# KiCad board d4_small_pcb_panel.kicad_pcb
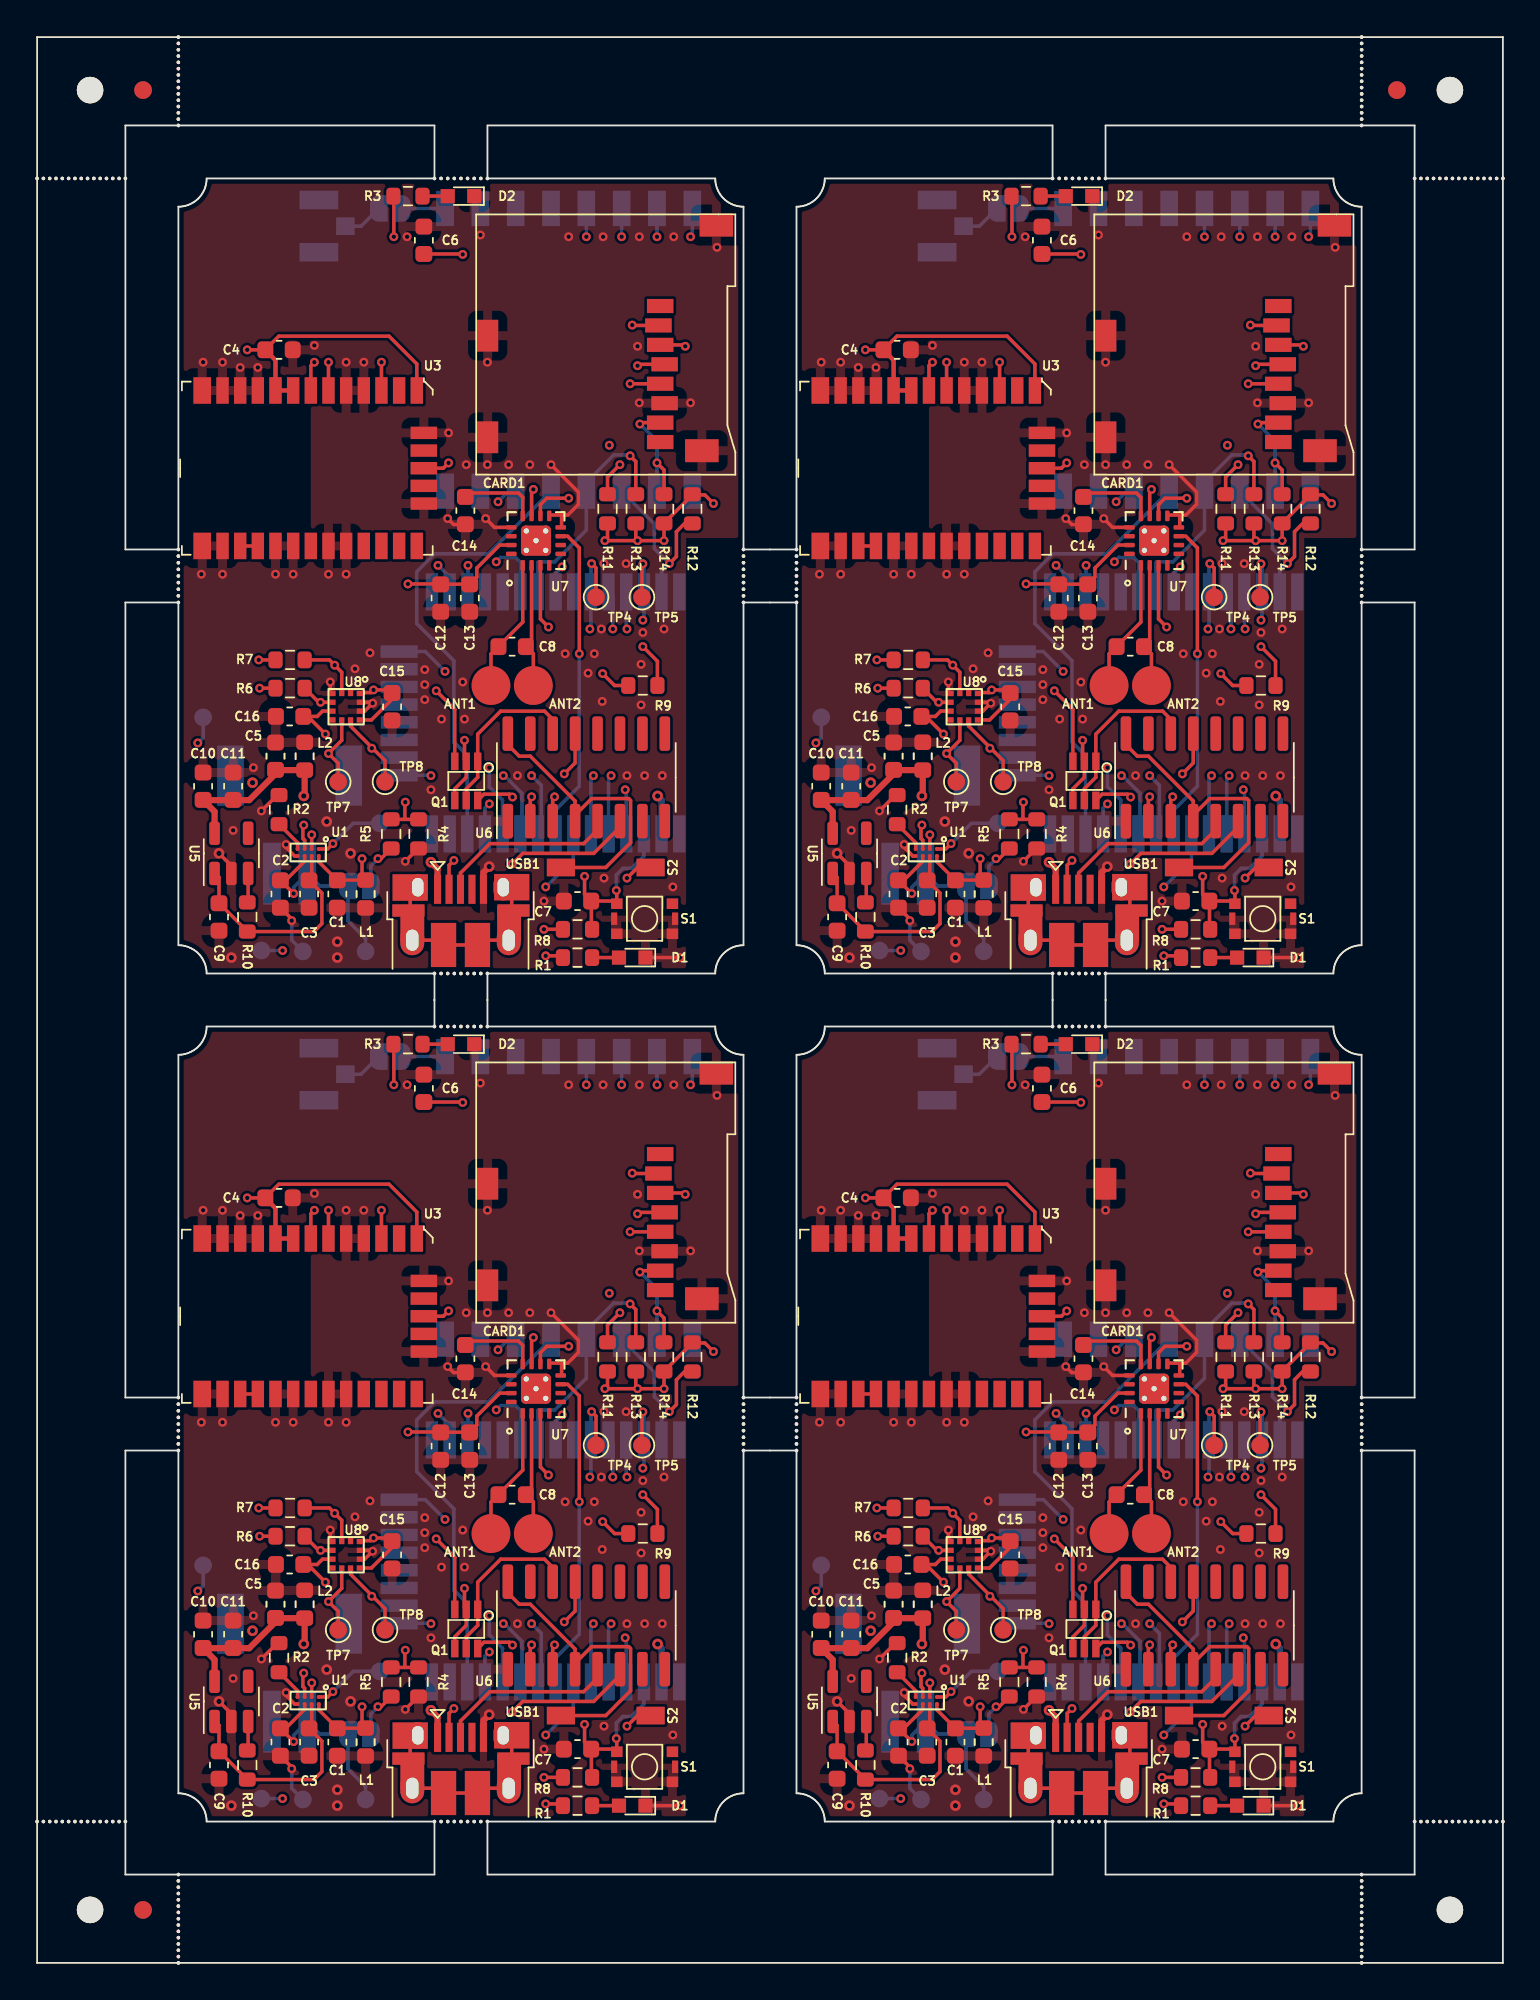
[diagram p0: board, top side]
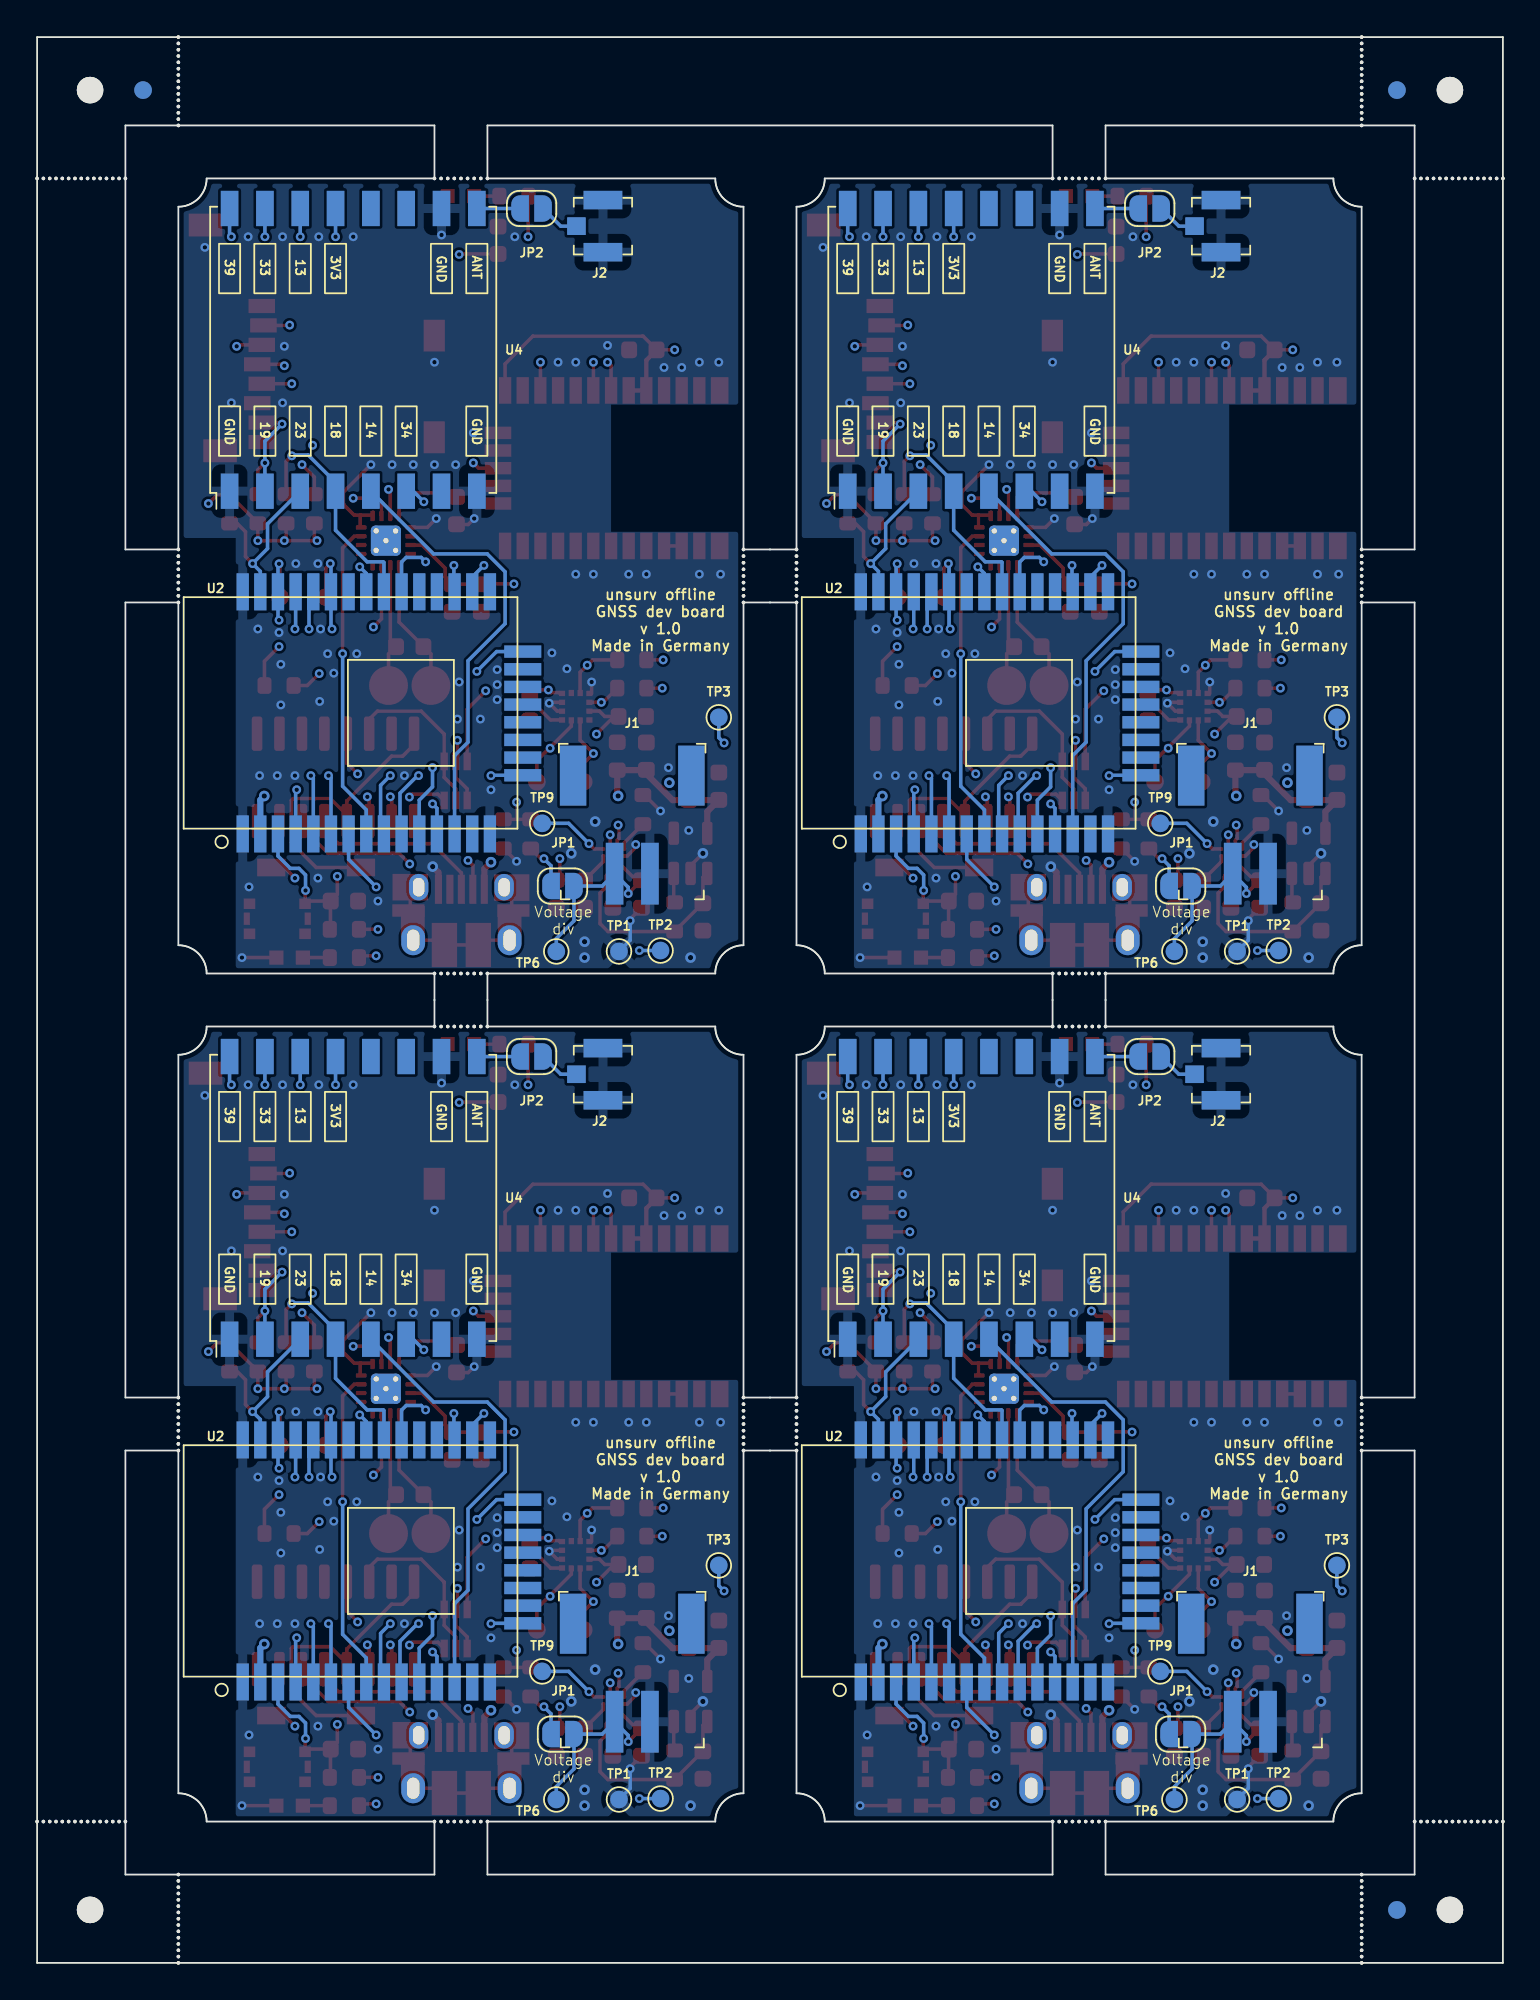
[diagram p1: board, bottom side, seen from below]

Outline 83 x 109 mm; copper layers: Top, SIG_PWR1, SIG_PWR2, Bottom. Coordinates in mm from the lower left corner of the outline.
Outline path: 0,109 0,0 83,0 83,109 0,109 ; 5,104 22.5,104 22.5,101 9.6,101 9.6,100.92 9.59,100.84 9.58,100.76 9.57,100.68 9.55,100.6 9.53,100.52 9.5,100.44 9.47,100.37 9.44,100.3 9.4,100.22 9.36,100.15 9.31,100.09 9.27,100.02 9.21,99.96 9.16,99.9 9.1,99.84 9.04,99.79 8.98,99.73 8.91,99.69 8.85,99.64 8.78,99.6 8.7,99.56 8.63,99.53 8.56,99.5 8.48,99.47 8.4,99.45 8.32,99.43 8.24,99.42 8.16,99.41 8.08,99.4 8,99.4 8,80 5,80 5,104 ; 5,77 8,77 8,57.6 8.08,57.6 8.16,57.59 8.24,57.58 8.32,57.57 8.4,57.55 8.48,57.53 8.56,57.5 8.63,57.47 8.7,57.44 8.78,57.4 8.85,57.36 8.91,57.31 8.98,57.27 9.04,57.21 9.1,57.16 9.16,57.1 9.21,57.04 9.27,56.98 9.31,56.91 9.36,56.85 9.4,56.78 9.44,56.7 9.47,56.63 9.5,56.56 9.53,56.48 9.55,56.4 9.57,56.32 9.58,56.24 9.59,56.16 9.6,56.08 9.6,56 22.5,56 22.5,53 9.6,53 9.6,52.92 9.59,52.84 9.58,52.76 9.57,52.68 9.55,52.6 9.53,52.52 9.5,52.44 9.47,52.37 9.44,52.3 9.4,52.22 9.36,52.15 9.31,52.09 9.27,52.02 9.21,51.96 9.16,51.9 9.1,51.84 9.04,51.79 8.98,51.73 8.91,51.69 8.85,51.64 8.78,51.6 8.7,51.56 8.63,51.53 8.56,51.5 8.48,51.47 8.4,51.45 8.32,51.43 8.24,51.42 8.16,51.41 8.08,51.4 8,51.4 8,32 5,32 5,77 ; 5,29 8,29 8,9.6 8.08,9.6 8.16,9.59 8.24,9.58 8.32,9.57 8.4,9.55 8.48,9.53 8.56,9.5 8.63,9.47 8.7,9.44 8.78,9.4 8.85,9.36 8.91,9.31 8.98,9.27 9.04,9.21 9.1,9.16 9.16,9.1 9.21,9.04 9.27,8.98 9.31,8.91 9.36,8.85 9.4,8.78 9.44,8.7 9.47,8.63 9.5,8.56 9.53,8.48 9.55,8.4 9.57,8.32 9.58,8.24 9.59,8.16 9.6,8.08 9.6,8 22.5,8 22.5,5 5,5 5,29 ; 25.5,104 57.5,104 57.5,101 44.6,101 44.6,100.92 44.59,100.84 44.58,100.76 44.57,100.68 44.55,100.6 44.53,100.52 44.5,100.44 44.47,100.37 44.44,100.3 44.4,100.22 44.36,100.15 44.31,100.09 44.27,100.02 44.21,99.96 44.16,99.9 44.1,99.84 44.04,99.79 43.98,99.73 43.91,99.69 43.85,99.64 43.78,99.6 43.7,99.56 43.63,99.53 43.56,99.5 43.48,99.47 43.4,99.45 43.32,99.43 43.24,99.42 43.16,99.41 43.08,99.4 43,99.4 43,80 40,80 40,99.4 39.92,99.4 39.84,99.41 39.76,99.42 39.68,99.43 39.6,99.45 39.52,99.47 39.44,99.5 39.37,99.53 39.3,99.56 39.22,99.6 39.15,99.64 39.09,99.69 39.02,99.73 38.96,99.79 38.9,99.84 38.84,99.9 38.79,99.96 38.73,100.02 38.69,100.09 38.64,100.15 38.6,100.22 38.56,100.3 38.53,100.37 38.5,100.44 38.47,100.52 38.45,100.6 38.43,100.68 38.42,100.76 38.41,100.84 38.4,100.92 38.4,101 25.5,101 25.5,104 ; 25.5,56 38.4,56 38.4,56.08 38.41,56.16 38.42,56.24 38.43,56.32 38.45,56.4 38.47,56.48 38.5,56.56 38.53,56.63 38.56,56.7 38.6,56.78 38.64,56.85 38.69,56.91 38.73,56.98 38.79,57.04 38.84,57.1 38.9,57.16 38.96,57.21 39.02,57.27 39.09,57.31 39.15,57.36 39.22,57.4 39.3,57.44 39.37,57.47 39.44,57.5 39.52,57.53 39.6,57.55 39.68,57.57 39.76,57.58 39.84,57.59 39.92,57.6 40,57.6 40,77 43,77 43,57.6 43.08,57.6 43.16,57.59 43.24,57.58 43.32,57.57 43.4,57.55 43.48,57.53 43.56,57.5 43.63,57.47 43.7,57.44 43.78,57.4 43.85,57.36 43.91,57.31 43.98,57.27 44.04,57.21 44.1,57.16 44.16,57.1 44.21,57.04 44.27,56.98 44.31,56.91 44.36,56.85 44.4,56.78 44.44,56.7 44.47,56.63 44.5,56.56 44.53,56.48 44.55,56.4 44.57,56.32 44.58,56.24 44.59,56.16 44.6,56.08 44.6,56 57.5,56 57.5,53 44.6,53 44.6,52.92 44.59,52.84 44.58,52.76 44.57,52.68 44.55,52.6 44.53,52.52 44.5,52.44 44.47,52.37 44.44,52.3 44.4,52.22 44.36,52.15 44.31,52.09 44.27,52.02 44.21,51.96 44.16,51.9 44.1,51.84 44.04,51.79 43.98,51.73 43.91,51.69 43.85,51.64 43.78,51.6 43.7,51.56 43.63,51.53 43.56,51.5 43.48,51.47 43.4,51.45 43.32,51.43 43.24,51.42 43.16,51.41 43.08,51.4 43,51.4 43,32 40,32 40,51.4 39.92,51.4 39.84,51.41 39.76,51.42 39.68,51.43 39.6,51.45 39.52,51.47 39.44,51.5 39.37,51.53 39.3,51.56 39.22,51.6 39.15,51.64 39.09,51.69 39.02,51.73 38.96,51.79 38.9,51.84 38.84,51.9 38.79,51.96 38.73,52.02 38.69,52.09 38.64,52.15 38.6,52.22 38.56,52.3 38.53,52.37 38.5,52.44 38.47,52.52 38.45,52.6 38.43,52.68 38.42,52.76 38.41,52.84 38.4,52.92 38.4,53 25.5,53 25.5,56 ; 25.5,8 38.4,8 38.4,8.08 38.41,8.16 38.42,8.24 38.43,8.32 38.45,8.4 38.47,8.48 38.5,8.56 38.53,8.63 38.56,8.7 38.6,8.78 38.64,8.85 38.69,8.91 38.73,8.98 38.79,9.04 38.84,9.1 38.9,9.16 38.96,9.21 39.02,9.27 39.09,9.31 39.15,9.36 39.22,9.4 39.3,9.44 39.37,9.47 39.44,9.5 39.52,9.53 39.6,9.55 39.68,9.57 39.76,9.58 39.84,9.59 39.92,9.6 40,9.6 40,29 43,29 43,9.6 43.08,9.6 43.16,9.59 43.24,9.58 43.32,9.57 43.4,9.55 43.48,9.53 43.56,9.5 43.63,9.47 43.7,9.44 43.78,9.4 43.85,9.36 43.91,9.31 43.98,9.27 44.04,9.21 44.1,9.16 44.16,9.1 44.21,9.04 44.27,8.98 44.31,8.91 44.36,8.85 44.4,8.78 44.44,8.7 44.47,8.63 44.5,8.56 44.53,8.48 44.55,8.4 44.57,8.32 44.58,8.24 44.59,8.16 44.6,8.08 44.6,8 57.5,8 57.5,5 25.5,5 25.5,8 ; 60.5,104 78,104 78,80 75,80 75,99.4 74.92,99.4 74.84,99.41 74.76,99.42 74.68,99.43 74.6,99.45 74.52,99.47 74.44,99.5 74.37,99.53 74.3,99.56 74.22,99.6 74.15,99.64 74.09,99.69 74.02,99.73 73.96,99.79 73.9,99.84 73.84,99.9 73.79,99.96 73.73,100.02 73.69,100.09 73.64,100.15 73.6,100.22 73.56,100.3 73.53,100.37 73.5,100.44 73.47,100.52 73.45,100.6 73.43,100.68 73.42,100.76 73.41,100.84 73.4,100.92 73.4,101 60.5,101 60.5,104 ; 60.5,56 73.4,56 73.4,56.08 73.41,56.16 73.42,56.24 73.43,56.32 73.45,56.4 73.47,56.48 73.5,56.56 73.53,56.63 73.56,56.7 73.6,56.78 73.64,56.85 73.69,56.91 73.73,56.98 73.79,57.04 73.84,57.1 73.9,57.16 73.96,57.21 74.02,57.27 74.09,57.31 74.15,57.36 74.22,57.4 74.3,57.44 74.37,57.47 74.44,57.5 74.52,57.53 74.6,57.55 74.68,57.57 74.76,57.58 74.84,57.59 74.92,57.6 75,57.6 75,77 78,77 78,32 75,32 75,51.4 74.92,51.4 74.84,51.41 74.76,51.42 74.68,51.43 74.6,51.45 74.52,51.47 74.44,51.5 74.37,51.53 74.3,51.56 74.22,51.6 74.15,51.64 74.09,51.69 74.02,51.73 73.96,51.79 73.9,51.84 73.84,51.9 73.79,51.96 73.73,52.02 73.69,52.09 73.64,52.15 73.6,52.22 73.56,52.3 73.53,52.37 73.5,52.44 73.47,52.52 73.45,52.6 73.43,52.68 73.42,52.76 73.41,52.84 73.4,52.92 73.4,53 60.5,53 60.5,56 ; 60.5,8 73.4,8 73.4,8.08 73.41,8.16 73.42,8.24 73.43,8.32 73.45,8.4 73.47,8.48 73.5,8.56 73.53,8.63 73.56,8.7 73.6,8.78 73.64,8.85 73.69,8.91 73.73,8.98 73.79,9.04 73.84,9.1 73.9,9.16 73.96,9.21 74.02,9.27 74.09,9.31 74.15,9.36 74.22,9.4 74.3,9.44 74.37,9.47 74.44,9.5 74.52,9.53 74.6,9.55 74.68,9.57 74.76,9.58 74.84,9.59 74.92,9.6 75,9.6 75,29 78,29 78,5 60.5,5 60.5,8
Stack: Top 0.035mm / dielectric 0.48mm FR4 er 4.5 / SIG_PWR1 0.035mm / dielectric 0.48mm FR4 er 4.5 / SIG_PWR2 0.035mm / dielectric 0.48mm FR4 er 4.5 / Bottom 0.035mm

## Placement (name value [footprint] x y rotation side)
ANT1  ANT1  [PogoPin_2_2mm_circular]  59 75.5 0 top
ANT1#2  ANT1  [PogoPin_2_2mm_circular]  24 27.5 0 top
ANT1#3  ANT1  [PogoPin_2_2mm_circular]  24 75.5 0 top
ANT1#4  ANT1  [PogoPin_2_2mm_circular]  59 27.5 0 top
ANT2  ANT2  [PogoPin_2_2mm_circular#2]  62 27.5 0 top
ANT2#2  ANT2  [PogoPin_2_2mm_circular#2]  27 27.5 0 top
ANT2#3  ANT2  [PogoPin_2_2mm_circular#2]  27 75.5 0 top
ANT2#4  ANT2  [PogoPin_2_2mm_circular#2]  62 75.5 0 top
C1  1µF  [C_0603_1608Metric]  52 60.5 90 top
C1#2  1µF  [C_0603_1608Metric]  52 12.5 90 top
C1#3  1µF  [C_0603_1608Metric]  17 12.5 90 top
C1#4  1µF  [C_0603_1608Metric]  17 60.5 90 top
C2  1µF  [C_0603_1608Metric]  48.78 60.5 90 top
C2#2  1µF  [C_0603_1608Metric]  13.78 60.5 90 top
C2#3  1µF  [C_0603_1608Metric]  13.78 12.5 90 top
C2#4  1µF  [C_0603_1608Metric]  48.78 12.5 90 top
C3  10µF  [C_0603_1608Metric]  50.4 12.5 270 top
C3#2  10µF  [C_0603_1608Metric]  15.4 60.5 270 top
C3#3  10µF  [C_0603_1608Metric]  50.4 60.5 270 top
C3#4  10µF  [C_0603_1608Metric]  15.4 12.5 270 top
C4  4.7µF  [C_0603_1608Metric]  13.7 43.3 180 top
C4#2  4.7µF  [C_0603_1608Metric]  48.7 43.3 180 top
C4#3  4.7µF  [C_0603_1608Metric]  13.7 91.3 180 top
C4#4  4.7µF  [C_0603_1608Metric]  48.7 91.3 180 top
C5  10µF  [C_0603_1608Metric]  13.5 20.3 90 top
C5#2  10µF  [C_0603_1608Metric]  13.5 68.3 90 top
C5#3  10µF  [C_0603_1608Metric]  48.5 68.3 90 top
C5#4  10µF  [C_0603_1608Metric]  48.5 20.3 90 top
C6  4.7µF  [C_0603_1608Metric]  56.9 97.5 270 top
C6#2  4.7µF  [C_0603_1608Metric]  21.9 49.5 270 top
C6#3  4.7µF  [C_0603_1608Metric]  21.9 97.5 270 top
C6#4  4.7µF  [C_0603_1608Metric]  56.9 49.5 270 top
C7  100nF  [C_0603_1608Metric]  65.6 60.1 180 top
C7#2  100nF  [C_0603_1608Metric]  65.6 12.1 180 top
C7#3  100nF  [C_0603_1608Metric]  30.6 60.1 180 top
C7#4  100nF  [C_0603_1608Metric]  30.6 12.1 180 top
C8  10pF  [C_0603_1608Metric]  26.9 26.5 0 top
C8#2  10pF  [C_0603_1608Metric]  61.9 26.5 0 top
C8#3  10pF  [C_0603_1608Metric]  61.9 74.5 0 top
C8#4  10pF  [C_0603_1608Metric]  26.9 74.5 0 top
C9  1µF  [C_0603_1608Metric]  10.3 11.2 90 top
C9#2  1µF  [C_0603_1608Metric]  45.3 11.2 90 top
C9#3  1µF  [C_0603_1608Metric]  45.3 59.2 90 top
C9#4  1µF  [C_0603_1608Metric]  10.3 59.2 90 top
C10  1µF  [C_0603_1608Metric]  9.4 66.6 270 top
C10#2  1µF  [C_0603_1608Metric]  9.4 18.6 270 top
C10#3  1µF  [C_0603_1608Metric]  44.4 18.6 270 top
C10#4  1µF  [C_0603_1608Metric]  44.4 66.6 270 top
C11  10µF  [C_0603_1608Metric]  11.1 18.6 270 top
C11#2  10µF  [C_0603_1608Metric]  46.1 18.6 270 top
C11#3  10µF  [C_0603_1608Metric]  46.1 66.6 270 top
C11#4  10µF  [C_0603_1608Metric]  11.1 66.6 270 top
C12  0.1µF  [C_0603_1608Metric]  22.85 29.25 270 top
C12#2  0.1µF  [C_0603_1608Metric]  57.85 29.25 270 top
C12#3  0.1µF  [C_0603_1608Metric]  22.85 77.25 270 top
C12#4  0.1µF  [C_0603_1608Metric]  57.85 77.25 270 top
C13  1µF  [C_0603_1608Metric]  24.5 77.25 270 top
C13#2  1µF  [C_0603_1608Metric]  24.5 29.25 270 top
C13#3  1µF  [C_0603_1608Metric]  59.5 77.25 270 top
C13#4  1µF  [C_0603_1608Metric]  59.5 29.25 270 top
C14  470nF  [C_0603_1608Metric]  24.25 34.2 270 top
C14#2  470nF  [C_0603_1608Metric]  59.25 82.2 270 top
C14#3  470nF  [C_0603_1608Metric]  59.25 34.2 270 top
C14#4  470nF  [C_0603_1608Metric]  24.25 82.2 270 top
C15  100nF  [C_0603_1608Metric]  55.1 71.1 270 top
C15#2  100nF  [C_0603_1608Metric]  20.1 71.1 270 top
C15#3  100nF  [C_0603_1608Metric]  55.1 23.1 270 top
C15#4  100nF  [C_0603_1608Metric]  20.1 23.1 270 top
C16  100nF  [C_0603_1608Metric]  14.3 70.55 180 top
C16#2  100nF  [C_0603_1608Metric]  14.3 22.55 180 top
C16#3  100nF  [C_0603_1608Metric]  49.3 22.55 180 top
C16#4  100nF  [C_0603_1608Metric]  49.3 70.55 180 top
CARD1  TF-101B  [TF-SMD_TF-101B]  67.74 91.6 90 top
CARD1#2  TF-101B  [TF-SMD_TF-101B]  67.74 43.6 90 top
CARD1#3  TF-101B  [TF-SMD_TF-101B]  32.74 43.6 90 top
CARD1#4  TF-101B  [TF-SMD_TF-101B]  32.74 91.6 90 top
D1  LED1  [LED_0603]  33.7 56.9 180 top
D1#2  LED1  [LED_0603]  68.7 8.9 180 top
D1#3  LED1  [LED_0603]  68.7 56.9 180 top
D1#4  LED1  [LED_0603]  33.7 8.9 180 top
D2  LED2  [LED_0603]  59 52 180 top
D2#2  LED2  [LED_0603]  24 100 180 top
D2#3  LED2  [LED_0603]  24 52 180 top
D2#4  LED2  [LED_0603]  59 100 180 top
J1  S2B-PH-SM4-TB_LF__SN_  [PinHeader_2x1mm_P2mm_SMD_RA]  14.3 61.65 180 bottom
J1#2  S2B-PH-SM4-TB_LF__SN_  [PinHeader_2x1mm_P2mm_SMD_RA]  14.3 13.65 180 bottom
J1#3  S2B-PH-SM4-TB_LF__SN_  [PinHeader_2x1mm_P2mm_SMD_RA]  49.3 61.65 180 bottom
J1#4  S2B-PH-SM4-TB_LF__SN_  [PinHeader_2x1mm_P2mm_SMD_RA]  49.3 13.65 180 bottom
J2  U_FL-R-SMT-1_10_  [Coax_Conn_U.FL]  15.96 98.3 270 bottom
J2#2  U_FL-R-SMT-1_10_  [Coax_Conn_U.FL]  15.96 50.3 270 bottom
J2#3  U_FL-R-SMT-1_10_  [Coax_Conn_U.FL]  50.96 50.3 270 bottom
J2#4  U_FL-R-SMT-1_10_  [Coax_Conn_U.FL]  50.96 98.3 270 bottom
JP1  SolderJumper_2_Open  [SolderJumper-2_P1.3mm_Open_RoundedPad1.0x1.5mm]  18.25 60.95 0 bottom
JP1#2  SolderJumper_2_Open  [SolderJumper-2_P1.3mm_Open_RoundedPad1.0x1.5mm]  53.25 12.95 0 bottom
JP1#3  SolderJumper_2_Open  [SolderJumper-2_P1.3mm_Open_RoundedPad1.0x1.5mm]  53.25 60.95 0 bottom
JP1#4  SolderJumper_2_Open  [SolderJumper-2_P1.3mm_Open_RoundedPad1.0x1.5mm]  18.25 12.95 0 bottom
JP2  SolderJumper_2_Open  [SolderJumper-2_P1.3mm_Open_RoundedPad1.0x1.5mm]  20 51.3 180 bottom
JP2#2  SolderJumper_2_Open  [SolderJumper-2_P1.3mm_Open_RoundedPad1.0x1.5mm]  55 99.3 180 bottom
JP2#3  SolderJumper_2_Open  [SolderJumper-2_P1.3mm_Open_RoundedPad1.0x1.5mm]  20 99.3 180 bottom
JP2#4  SolderJumper_2_Open  [SolderJumper-2_P1.3mm_Open_RoundedPad1.0x1.5mm]  55 51.3 180 bottom
KiKit_FID_B_1  -  [Fiducial]  6 106 0 bottom
KiKit_FID_B_2  -  [Fiducial]  77 106 0 bottom
KiKit_FID_B_3  -  [Fiducial]  6 3 0 bottom
KiKit_FID_T_1  -  [Fiducial]  6 106 0 top
KiKit_FID_T_2  -  [Fiducial]  77 106 0 top
KiKit_FID_T_3  -  [Fiducial]  6 3 0 top
KiKit_MB_1_1  -  [NPTH]  8 77 0 top
KiKit_MB_1_2  -  [NPTH]  8 77.38 0 top
KiKit_MB_1_3  -  [NPTH]  8 77.75 0 top
KiKit_MB_1_4  -  [NPTH]  8 78.12 0 top
KiKit_MB_1_5  -  [NPTH]  8 78.5 0 top
KiKit_MB_1_6  -  [NPTH]  8 78.88 0 top
KiKit_MB_1_7  -  [NPTH]  8 79.25 0 top
KiKit_MB_1_8  -  [NPTH]  8 79.62 0 top
KiKit_MB_1_9  -  [NPTH]  8 80 0 top
KiKit_MB_2_1  -  [NPTH]  40 80 0 top
KiKit_MB_2_2  -  [NPTH]  40 79.62 0 top
KiKit_MB_2_3  -  [NPTH]  40 79.25 0 top
KiKit_MB_2_4  -  [NPTH]  40 78.88 0 top
KiKit_MB_2_5  -  [NPTH]  40 78.5 0 top
KiKit_MB_2_6  -  [NPTH]  40 78.12 0 top
KiKit_MB_2_7  -  [NPTH]  40 77.75 0 top
KiKit_MB_2_8  -  [NPTH]  40 77.38 0 top
KiKit_MB_2_9  -  [NPTH]  40 77 0 top
KiKit_MB_3_1  -  [NPTH]  22.5 101 0 top
KiKit_MB_3_2  -  [NPTH]  22.88 101 0 top
KiKit_MB_3_3  -  [NPTH]  23.25 101 0 top
KiKit_MB_3_4  -  [NPTH]  23.62 101 0 top
KiKit_MB_3_5  -  [NPTH]  24 101 0 top
KiKit_MB_3_6  -  [NPTH]  24.38 101 0 top
KiKit_MB_3_7  -  [NPTH]  24.75 101 0 top
KiKit_MB_3_8  -  [NPTH]  25.12 101 0 top
KiKit_MB_3_9  -  [NPTH]  25.5 101 0 top
KiKit_MB_4_1  -  [NPTH]  25.5 56 0 top
KiKit_MB_4_2  -  [NPTH]  25.12 56 0 top
KiKit_MB_4_3  -  [NPTH]  24.75 56 0 top
KiKit_MB_4_4  -  [NPTH]  24.38 56 0 top
KiKit_MB_4_5  -  [NPTH]  24 56 0 top
KiKit_MB_4_6  -  [NPTH]  23.62 56 0 top
KiKit_MB_4_7  -  [NPTH]  23.25 56 0 top
KiKit_MB_4_8  -  [NPTH]  22.88 56 0 top
KiKit_MB_4_9  -  [NPTH]  22.5 56 0 top
KiKit_MB_5_1  -  [NPTH]  43 77 0 top
KiKit_MB_5_2  -  [NPTH]  43 77.38 0 top
KiKit_MB_5_3  -  [NPTH]  43 77.75 0 top
KiKit_MB_5_4  -  [NPTH]  43 78.12 0 top
KiKit_MB_5_5  -  [NPTH]  43 78.5 0 top
KiKit_MB_5_6  -  [NPTH]  43 78.88 0 top
KiKit_MB_5_7  -  [NPTH]  43 79.25 0 top
KiKit_MB_5_8  -  [NPTH]  43 79.62 0 top
KiKit_MB_5_9  -  [NPTH]  43 80 0 top
KiKit_MB_6_1  -  [NPTH]  75 80 0 top
KiKit_MB_6_2  -  [NPTH]  75 79.62 0 top
KiKit_MB_6_3  -  [NPTH]  75 79.25 0 top
KiKit_MB_6_4  -  [NPTH]  75 78.88 0 top
KiKit_MB_6_5  -  [NPTH]  75 78.5 0 top
KiKit_MB_6_6  -  [NPTH]  75 78.12 0 top
KiKit_MB_6_7  -  [NPTH]  75 77.75 0 top
KiKit_MB_6_8  -  [NPTH]  75 77.38 0 top
KiKit_MB_6_9  -  [NPTH]  75 77 0 top
KiKit_MB_7_1  -  [NPTH]  57.5 101 0 top
KiKit_MB_7_2  -  [NPTH]  57.88 101 0 top
KiKit_MB_7_3  -  [NPTH]  58.25 101 0 top
KiKit_MB_7_4  -  [NPTH]  58.62 101 0 top
KiKit_MB_7_5  -  [NPTH]  59 101 0 top
KiKit_MB_7_6  -  [NPTH]  59.38 101 0 top
KiKit_MB_7_7  -  [NPTH]  59.75 101 0 top
KiKit_MB_7_8  -  [NPTH]  60.12 101 0 top
KiKit_MB_7_9  -  [NPTH]  60.5 101 0 top
KiKit_MB_8_1  -  [NPTH]  60.5 56 0 top
KiKit_MB_8_2  -  [NPTH]  60.12 56 0 top
KiKit_MB_8_3  -  [NPTH]  59.75 56 0 top
KiKit_MB_8_4  -  [NPTH]  59.38 56 0 top
KiKit_MB_8_5  -  [NPTH]  59 56 0 top
KiKit_MB_8_6  -  [NPTH]  58.62 56 0 top
KiKit_MB_8_7  -  [NPTH]  58.25 56 0 top
KiKit_MB_8_8  -  [NPTH]  57.88 56 0 top
KiKit_MB_8_9  -  [NPTH]  57.5 56 0 top
KiKit_MB_9_1  -  [NPTH]  8 29 0 top
KiKit_MB_9_2  -  [NPTH]  8 29.38 0 top
KiKit_MB_9_3  -  [NPTH]  8 29.75 0 top
KiKit_MB_9_4  -  [NPTH]  8 30.12 0 top
KiKit_MB_9_5  -  [NPTH]  8 30.5 0 top
KiKit_MB_9_6  -  [NPTH]  8 30.88 0 top
KiKit_MB_9_7  -  [NPTH]  8 31.25 0 top
KiKit_MB_9_8  -  [NPTH]  8 31.62 0 top
KiKit_MB_9_9  -  [NPTH]  8 32 0 top
KiKit_MB_10_1  -  [NPTH]  40 32 0 top
KiKit_MB_10_2  -  [NPTH]  40 31.62 0 top
KiKit_MB_10_3  -  [NPTH]  40 31.25 0 top
KiKit_MB_10_4  -  [NPTH]  40 30.88 0 top
KiKit_MB_10_5  -  [NPTH]  40 30.5 0 top
KiKit_MB_10_6  -  [NPTH]  40 30.12 0 top
KiKit_MB_10_7  -  [NPTH]  40 29.75 0 top
KiKit_MB_10_8  -  [NPTH]  40 29.38 0 top
KiKit_MB_10_9  -  [NPTH]  40 29 0 top
KiKit_MB_11_1  -  [NPTH]  22.5 53 0 top
KiKit_MB_11_2  -  [NPTH]  22.88 53 0 top
KiKit_MB_11_3  -  [NPTH]  23.25 53 0 top
KiKit_MB_11_4  -  [NPTH]  23.62 53 0 top
KiKit_MB_11_5  -  [NPTH]  24 53 0 top
KiKit_MB_11_6  -  [NPTH]  24.38 53 0 top
KiKit_MB_11_7  -  [NPTH]  24.75 53 0 top
KiKit_MB_11_8  -  [NPTH]  25.12 53 0 top
KiKit_MB_11_9  -  [NPTH]  25.5 53 0 top
KiKit_MB_12_1  -  [NPTH]  25.5 8 0 top
KiKit_MB_12_2  -  [NPTH]  25.12 8 0 top
KiKit_MB_12_3  -  [NPTH]  24.75 8 0 top
KiKit_MB_12_4  -  [NPTH]  24.38 8 0 top
KiKit_MB_12_5  -  [NPTH]  24 8 0 top
KiKit_MB_12_6  -  [NPTH]  23.62 8 0 top
KiKit_MB_12_7  -  [NPTH]  23.25 8 0 top
KiKit_MB_12_8  -  [NPTH]  22.88 8 0 top
KiKit_MB_12_9  -  [NPTH]  22.5 8 0 top
KiKit_MB_13_1  -  [NPTH]  43 29 0 top
KiKit_MB_13_2  -  [NPTH]  43 29.38 0 top
KiKit_MB_13_3  -  [NPTH]  43 29.75 0 top
KiKit_MB_13_4  -  [NPTH]  43 30.12 0 top
KiKit_MB_13_5  -  [NPTH]  43 30.5 0 top
KiKit_MB_13_6  -  [NPTH]  43 30.88 0 top
KiKit_MB_13_7  -  [NPTH]  43 31.25 0 top
KiKit_MB_13_8  -  [NPTH]  43 31.62 0 top
KiKit_MB_13_9  -  [NPTH]  43 32 0 top
KiKit_MB_14_1  -  [NPTH]  75 32 0 top
KiKit_MB_14_2  -  [NPTH]  75 31.62 0 top
KiKit_MB_14_3  -  [NPTH]  75 31.25 0 top
KiKit_MB_14_4  -  [NPTH]  75 30.88 0 top
KiKit_MB_14_5  -  [NPTH]  75 30.5 0 top
KiKit_MB_14_6  -  [NPTH]  75 30.12 0 top
KiKit_MB_14_7  -  [NPTH]  75 29.75 0 top
KiKit_MB_14_8  -  [NPTH]  75 29.38 0 top
KiKit_MB_14_9  -  [NPTH]  75 29 0 top
KiKit_MB_15_1  -  [NPTH]  57.5 53 0 top
KiKit_MB_15_2  -  [NPTH]  57.88 53 0 top
KiKit_MB_15_3  -  [NPTH]  58.25 53 0 top
KiKit_MB_15_4  -  [NPTH]  58.62 53 0 top
KiKit_MB_15_5  -  [NPTH]  59 53 0 top
KiKit_MB_15_6  -  [NPTH]  59.38 53 0 top
KiKit_MB_15_7  -  [NPTH]  59.75 53 0 top
KiKit_MB_15_8  -  [NPTH]  60.12 53 0 top
KiKit_MB_15_9  -  [NPTH]  60.5 53 0 top
KiKit_MB_16_1  -  [NPTH]  60.5 8 0 top
KiKit_MB_16_2  -  [NPTH]  60.12 8 0 top
KiKit_MB_16_3  -  [NPTH]  59.75 8 0 top
KiKit_MB_16_4  -  [NPTH]  59.38 8 0 top
KiKit_MB_16_5  -  [NPTH]  59 8 0 top
KiKit_MB_16_6  -  [NPTH]  58.62 8 0 top
KiKit_MB_16_7  -  [NPTH]  58.25 8 0 top
KiKit_MB_16_8  -  [NPTH]  57.88 8 0 top
KiKit_MB_16_9  -  [NPTH]  57.5 8 0 top
KiKit_MB_17_1  -  [NPTH]  8 109 0 top
KiKit_MB_17_2  -  [NPTH]  8 108.64 0 top
KiKit_MB_17_3  -  [NPTH]  8 108.29 0 top
KiKit_MB_17_4  -  [NPTH]  8 107.93 0 top
KiKit_MB_17_5  -  [NPTH]  8 107.57 0 top
KiKit_MB_17_6  -  [NPTH]  8 107.21 0 top
KiKit_MB_17_7  -  [NPTH]  8 106.86 0 top
KiKit_MB_17_8  -  [NPTH]  8 106.5 0 top
KiKit_MB_17_9  -  [NPTH]  8 106.14 0 top
KiKit_MB_17_10  -  [NPTH]  8 105.79 0 top
KiKit_MB_17_11  -  [NPTH]  8 105.43 0 top
KiKit_MB_17_12  -  [NPTH]  8 105.07 0 top
KiKit_MB_17_13  -  [NPTH]  8 104.71 0 top
KiKit_MB_17_14  -  [NPTH]  8 104.36 0 top
KiKit_MB_17_15  -  [NPTH]  8 104 0 top
KiKit_MB_18_1  -  [NPTH]  75 109 0 top
KiKit_MB_18_2  -  [NPTH]  75 108.64 0 top
KiKit_MB_18_3  -  [NPTH]  75 108.29 0 top
KiKit_MB_18_4  -  [NPTH]  75 107.93 0 top
KiKit_MB_18_5  -  [NPTH]  75 107.57 0 top
KiKit_MB_18_6  -  [NPTH]  75 107.21 0 top
KiKit_MB_18_7  -  [NPTH]  75 106.86 0 top
KiKit_MB_18_8  -  [NPTH]  75 106.5 0 top
KiKit_MB_18_9  -  [NPTH]  75 106.14 0 top
KiKit_MB_18_10  -  [NPTH]  75 105.79 0 top
KiKit_MB_18_11  -  [NPTH]  75 105.43 0 top
KiKit_MB_18_12  -  [NPTH]  75 105.07 0 top
KiKit_MB_18_13  -  [NPTH]  75 104.71 0 top
KiKit_MB_18_14  -  [NPTH]  75 104.36 0 top
KiKit_MB_18_15  -  [NPTH]  75 104 0 top
KiKit_MB_19_1  -  [NPTH]  8 5 0 top
KiKit_MB_19_2  -  [NPTH]  8 4.64 0 top
KiKit_MB_19_3  -  [NPTH]  8 4.29 0 top
KiKit_MB_19_4  -  [NPTH]  8 3.93 0 top
KiKit_MB_19_5  -  [NPTH]  8 3.57 0 top
KiKit_MB_19_6  -  [NPTH]  8 3.21 0 top
KiKit_MB_19_7  -  [NPTH]  8 2.86 0 top
KiKit_MB_19_8  -  [NPTH]  8 2.5 0 top
KiKit_MB_19_9  -  [NPTH]  8 2.14 0 top
KiKit_MB_19_10  -  [NPTH]  8 1.79 0 top
KiKit_MB_19_11  -  [NPTH]  8 1.43 0 top
KiKit_MB_19_12  -  [NPTH]  8 1.07 0 top
KiKit_MB_19_13  -  [NPTH]  8 0.71 0 top
KiKit_MB_19_14  -  [NPTH]  8 0.36 0 top
KiKit_MB_19_15  -  [NPTH]  8 0 0 top
KiKit_MB_20_1  -  [NPTH]  75 5 0 top
KiKit_MB_20_2  -  [NPTH]  75 4.64 0 top
KiKit_MB_20_3  -  [NPTH]  75 4.29 0 top
KiKit_MB_20_4  -  [NPTH]  75 3.93 0 top
KiKit_MB_20_5  -  [NPTH]  75 3.57 0 top
KiKit_MB_20_6  -  [NPTH]  75 3.21 0 top
KiKit_MB_20_7  -  [NPTH]  75 2.86 0 top
KiKit_MB_20_8  -  [NPTH]  75 2.5 0 top
KiKit_MB_20_9  -  [NPTH]  75 2.14 0 top
KiKit_MB_20_10  -  [NPTH]  75 1.79 0 top
KiKit_MB_20_11  -  [NPTH]  75 1.43 0 top
KiKit_MB_20_12  -  [NPTH]  75 1.07 0 top
KiKit_MB_20_13  -  [NPTH]  75 0.71 0 top
KiKit_MB_20_14  -  [NPTH]  75 0.36 0 top
KiKit_MB_20_15  -  [NPTH]  75 0 0 top
KiKit_MB_21_1  -  [NPTH]  0 101 0 top
KiKit_MB_21_2  -  [NPTH]  0.36 101 0 top
KiKit_MB_21_3  -  [NPTH]  0.71 101 0 top
KiKit_MB_21_4  -  [NPTH]  1.07 101 0 top
KiKit_MB_21_5  -  [NPTH]  1.43 101 0 top
KiKit_MB_21_6  -  [NPTH]  1.79 101 0 top
KiKit_MB_21_7  -  [NPTH]  2.14 101 0 top
KiKit_MB_21_8  -  [NPTH]  2.5 101 0 top
KiKit_MB_21_9  -  [NPTH]  2.86 101 0 top
KiKit_MB_21_10  -  [NPTH]  3.21 101 0 top
KiKit_MB_21_11  -  [NPTH]  3.57 101 0 top
KiKit_MB_21_12  -  [NPTH]  3.93 101 0 top
KiKit_MB_21_13  -  [NPTH]  4.29 101 0 top
KiKit_MB_21_14  -  [NPTH]  4.64 101 0 top
KiKit_MB_21_15  -  [NPTH]  5 101 0 top
KiKit_MB_22_1  -  [NPTH]  0 8 0 top
KiKit_MB_22_2  -  [NPTH]  0.36 8 0 top
KiKit_MB_22_3  -  [NPTH]  0.71 8 0 top
KiKit_MB_22_4  -  [NPTH]  1.07 8 0 top
KiKit_MB_22_5  -  [NPTH]  1.43 8 0 top
KiKit_MB_22_6  -  [NPTH]  1.79 8 0 top
KiKit_MB_22_7  -  [NPTH]  2.14 8 0 top
KiKit_MB_22_8  -  [NPTH]  2.5 8 0 top
KiKit_MB_22_9  -  [NPTH]  2.86 8 0 top
KiKit_MB_22_10  -  [NPTH]  3.21 8 0 top
KiKit_MB_22_11  -  [NPTH]  3.57 8 0 top
KiKit_MB_22_12  -  [NPTH]  3.93 8 0 top
KiKit_MB_22_13  -  [NPTH]  4.29 8 0 top
KiKit_MB_22_14  -  [NPTH]  4.64 8 0 top
KiKit_MB_22_15  -  [NPTH]  5 8 0 top
KiKit_MB_23_1  -  [NPTH]  78 101 0 top
KiKit_MB_23_2  -  [NPTH]  78.36 101 0 top
KiKit_MB_23_3  -  [NPTH]  78.71 101 0 top
KiKit_MB_23_4  -  [NPTH]  79.07 101 0 top
KiKit_MB_23_5  -  [NPTH]  79.43 101 0 top
KiKit_MB_23_6  -  [NPTH]  79.79 101 0 top
KiKit_MB_23_7  -  [NPTH]  80.14 101 0 top
KiKit_MB_23_8  -  [NPTH]  80.5 101 0 top
KiKit_MB_23_9  -  [NPTH]  80.86 101 0 top
KiKit_MB_23_10  -  [NPTH]  81.21 101 0 top
KiKit_MB_23_11  -  [NPTH]  81.57 101 0 top
KiKit_MB_23_12  -  [NPTH]  81.93 101 0 top
KiKit_MB_23_13  -  [NPTH]  82.29 101 0 top
KiKit_MB_23_14  -  [NPTH]  82.64 101 0 top
KiKit_MB_23_15  -  [NPTH]  83 101 0 top
KiKit_MB_24_1  -  [NPTH]  78 8 0 top
KiKit_MB_24_2  -  [NPTH]  78.36 8 0 top
KiKit_MB_24_3  -  [NPTH]  78.71 8 0 top
KiKit_MB_24_4  -  [NPTH]  79.07 8 0 top
KiKit_MB_24_5  -  [NPTH]  79.43 8 0 top
KiKit_MB_24_6  -  [NPTH]  79.79 8 0 top
KiKit_MB_24_7  -  [NPTH]  80.14 8 0 top
KiKit_MB_24_8  -  [NPTH]  80.5 8 0 top
KiKit_MB_24_9  -  [NPTH]  80.86 8 0 top
KiKit_MB_24_10  -  [NPTH]  81.21 8 0 top
KiKit_MB_24_11  -  [NPTH]  81.57 8 0 top
KiKit_MB_24_12  -  [NPTH]  81.93 8 0 top
KiKit_MB_24_13  -  [NPTH]  82.29 8 0 top
KiKit_MB_24_14  -  [NPTH]  82.64 8 0 top
KiKit_MB_24_15  -  [NPTH]  83 8 0 top
KiKit_TO_1  -  [NPTH#2]  3 106 0 top
KiKit_TO_2  -  [NPTH#2]  80 106 0 top
KiKit_TO_3  -  [NPTH#2]  3 3 0 top
KiKit_TO_4  -  [NPTH#2]  80 3 0 top
L1  L_Ferrite  [L_0603_1608Metric]  53.6 60.5 270 top
L1#2  L_Ferrite  [L_0603_1608Metric]  18.6 12.5 270 top
L1#3  L_Ferrite  [L_0603_1608Metric]  53.6 12.5 270 top
L1#4  L_Ferrite  [L_0603_1608Metric]  18.6 60.5 270 top
L2  L_Ferrite  [L_0603_1608Metric]  50.15 68.3 90 top
L2#2  L_Ferrite  [L_0603_1608Metric]  15.15 20.3 90 top
L2#3  L_Ferrite  [L_0603_1608Metric]  50.15 20.3 90 top
L2#4  L_Ferrite  [L_0603_1608Metric]  15.15 68.3 90 top
Q1  -  [UMH3N]  24.3 18.9 180 top
Q1#2  -  [UMH3N]  59.3 18.9 180 top
Q1#3  -  [UMH3N]  24.3 66.9 180 top
Q1#4  -  [UMH3N]  59.3 66.9 180 top
R1  1k  [R_0603_1608Metric]  65.6 8.9 0 top
R1#2  1k  [R_0603_1608Metric]  30.6 56.9 0 top
R1#3  1k  [R_0603_1608Metric]  65.6 56.9 0 top
R1#4  1k  [R_0603_1608Metric]  30.6 8.9 0 top
R2  10k  [R_0603_1608Metric]  48.7 65.28 90 top
R2#2  10k  [R_0603_1608Metric]  13.7 65.28 90 top
R2#3  10k  [R_0603_1608Metric]  13.7 17.28 90 top
R2#4  10k  [R_0603_1608Metric]  48.7 17.28 90 top
R3  1k  [R_0603_1608Metric]  21 100 0 top
R3#2  1k  [R_0603_1608Metric]  56 100 0 top
R3#3  1k  [R_0603_1608Metric]  21 52 0 top
R3#4  1k  [R_0603_1608Metric]  56 52 0 top
R4  100k  [R_0603_1608Metric]  21.6 63.9 270 top
R4#2  100k  [R_0603_1608Metric]  56.6 63.9 270 top
R4#3  100k  [R_0603_1608Metric]  56.6 15.9 270 top
R4#4  100k  [R_0603_1608Metric]  21.6 15.9 270 top
R5  100k  [R_0603_1608Metric]  20.05 63.9 90 top
R5#2  100k  [R_0603_1608Metric]  55.05 63.9 90 top
R5#3  100k  [R_0603_1608Metric]  20.05 15.9 90 top
R5#4  100k  [R_0603_1608Metric]  55.05 15.9 90 top
R6  4.7k  [R_0603_1608Metric]  14.33 72.15 0 top
R6#2  4.7k  [R_0603_1608Metric]  14.33 24.15 0 top
R6#3  4.7k  [R_0603_1608Metric]  49.32 24.15 0 top
R6#4  4.7k  [R_0603_1608Metric]  49.32 72.15 0 top
R7  4.7k  [R_0603_1608Metric]  14.33 25.75 0 top
R7#2  4.7k  [R_0603_1608Metric]  49.32 73.75 0 top
R7#3  4.7k  [R_0603_1608Metric]  49.32 25.75 0 top
R7#4  4.7k  [R_0603_1608Metric]  14.33 73.75 0 top
R8  10k  [R_0603_1608Metric]  30.6 58.5 0 top
R8#2  10k  [R_0603_1608Metric]  65.6 58.5 0 top
R8#3  10k  [R_0603_1608Metric]  30.6 10.5 0 top
R8#4  10k  [R_0603_1608Metric]  65.6 10.5 0 top
R9  10k  [R_0603_1608Metric]  69.3 24.3 0 top
R9#2  10k  [R_0603_1608Metric]  34.3 72.3 0 top
R9#3  10k  [R_0603_1608Metric]  34.3 24.3 0 top
R9#4  10k  [R_0603_1608Metric]  69.3 72.3 0 top
R10  100k  [R_0603_1608Metric]  46.9 59.2 270 top
R10#2  100k  [R_0603_1608Metric]  11.9 59.2 270 top
R10#3  100k  [R_0603_1608Metric]  11.9 11.2 270 top
R10#4  100k  [R_0603_1608Metric]  46.9 11.2 270 top
R11  10k  [R_0603_1608Metric]  32.3 34.3 90 top
R11#2  10k  [R_0603_1608Metric]  67.3 34.3 90 top
R11#3  10k  [R_0603_1608Metric]  67.3 82.3 90 top
R11#4  10k  [R_0603_1608Metric]  32.3 82.3 90 top